# KiCad board output.Panel_R0.5.1_300x300_2layer_step1_Modified.kicad_pcb (continued)
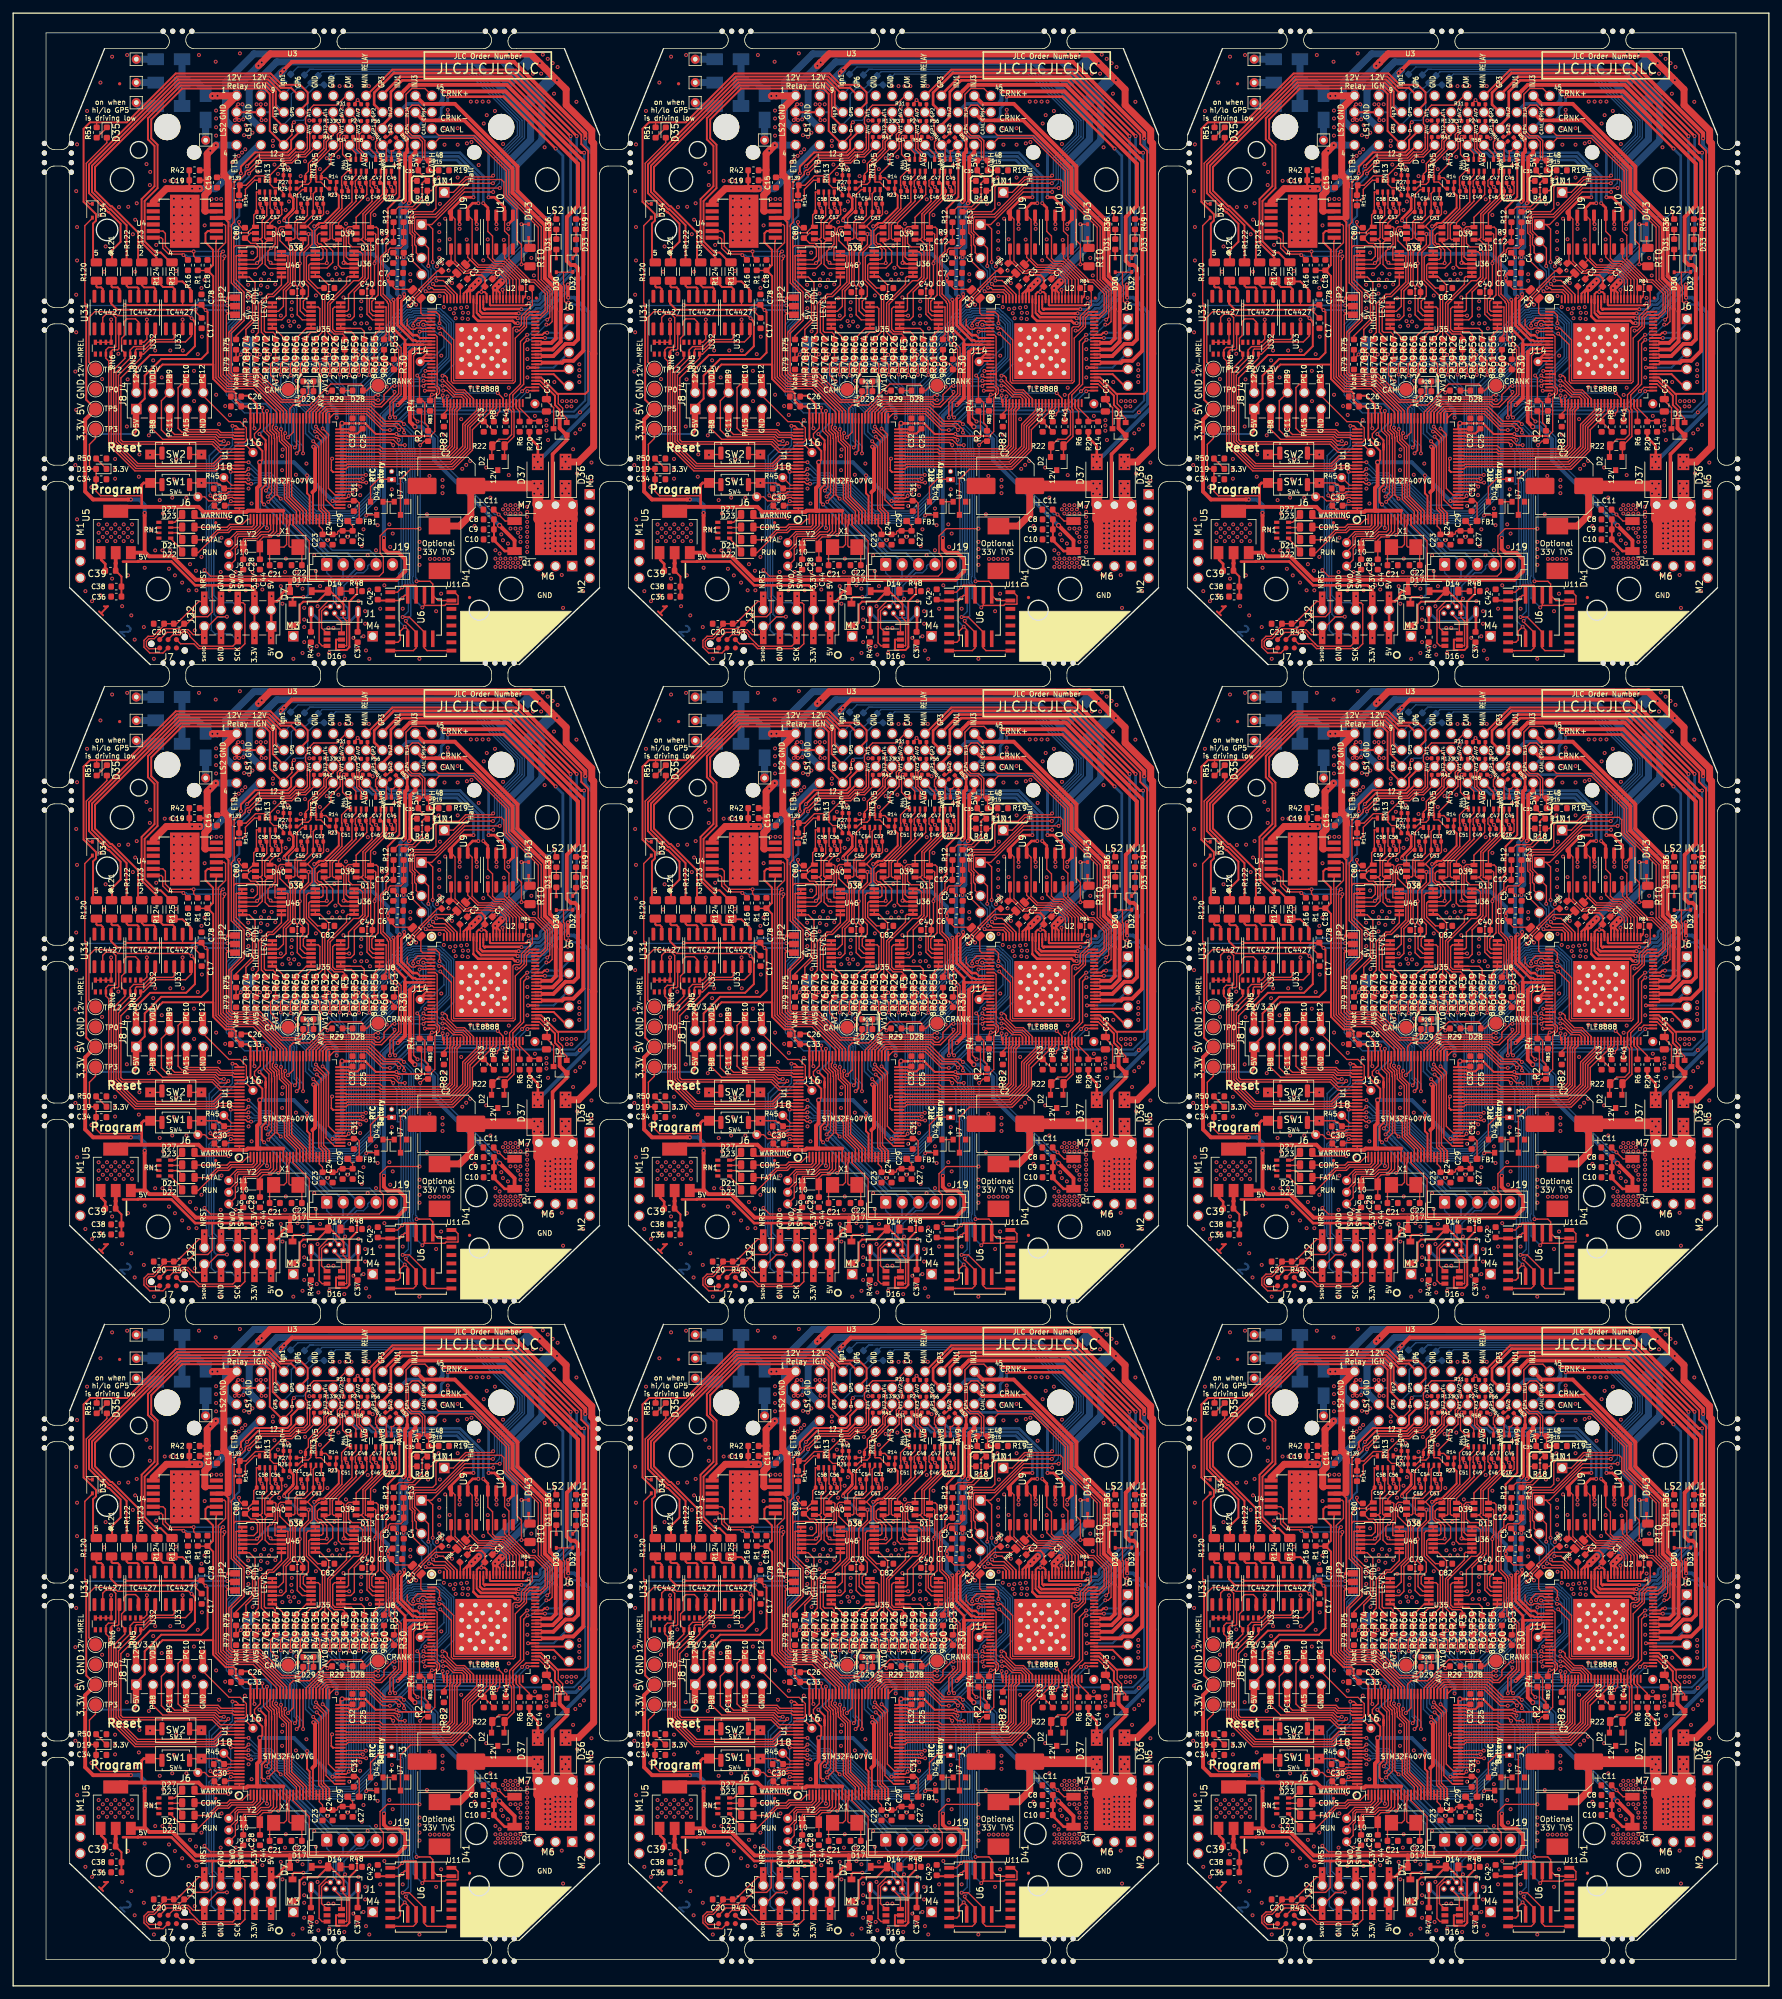
[diagram p0: board, top side]
## Placement (name value [footprint] x y rotation side) (continued)
R19#8  DNP  [R_0603_1608Metric]  150.5 82.1 180 top
R19#9  DNP  [R_0603_1608Metric]  65.5 82.1 180 top
R20  2.7k  [R_0603_1608Metric]  78.51 237.12 270 top
R20#2  2.7k  [R_0603_1608Metric]  163.51 237.12 270 top
R20#3  2.7k  [R_0603_1608Metric]  248.51 237.12 270 top
R20#4  2.7k  [R_0603_1608Metric]  248.51 140.12 270 top
R20#5  2.7k  [R_0603_1608Metric]  163.51 140.12 270 top
R20#6  2.7k  [R_0603_1608Metric]  78.51 140.12 270 top
R20#7  2.7k  [R_0603_1608Metric]  248.51 43.12 270 top
R20#8  2.7k  [R_0603_1608Metric]  163.51 43.12 270 top
R20#9  2.7k  [R_0603_1608Metric]  78.51 43.12 270 top
R21  0R  [R_0603_1608Metric]  43.74 290.04 45 bottom
R21#2  0R  [R_0603_1608Metric]  128.74 290.04 45 bottom
R21#3  0R  [R_0603_1608Metric]  213.74 290.04 45 bottom
R21#4  0R  [R_0603_1608Metric]  43.74 193.04 45 bottom
R21#5  0R  [R_0603_1608Metric]  213.74 193.04 45 bottom
R21#6  0R  [R_0603_1608Metric]  128.74 193.04 45 bottom
R21#7  0R  [R_0603_1608Metric]  43.74 96.04 45 bottom
R21#8  0R  [R_0603_1608Metric]  213.74 96.04 45 bottom
R21#9  0R  [R_0603_1608Metric]  128.74 96.04 45 bottom
R22  120  [R_0805_2012Metric]  73.8 234.2 0 top
R22#2  120  [R_0805_2012Metric]  158.8 234.2 0 top
R22#3  120  [R_0805_2012Metric]  243.8 234.2 0 top
R22#4  120  [R_0805_2012Metric]  243.8 137.2 0 top
R22#5  120  [R_0805_2012Metric]  158.8 137.2 0 top
R22#6  120  [R_0805_2012Metric]  73.8 137.2 0 top
R22#7  120  [R_0805_2012Metric]  243.8 40.2 0 top
R22#8  120  [R_0805_2012Metric]  158.8 40.2 0 top
R22#9  120  [R_0805_2012Metric]  73.8 40.2 0 top
R23  2.7k  [R_0402_1005Metric]  48.58 273.31 0 top
R23#2  2.7k  [R_0402_1005Metric]  133.58 273.31 0 top
R23#3  2.7k  [R_0402_1005Metric]  218.58 273.31 0 top
R23#4  2.7k  [R_0402_1005Metric]  48.58 176.31 0 top
R23#5  2.7k  [R_0402_1005Metric]  218.58 176.31 0 top
R23#6  2.7k  [R_0402_1005Metric]  133.58 176.31 0 top
R23#7  2.7k  [R_0402_1005Metric]  218.58 79.31 0 top
R23#8  2.7k  [R_0402_1005Metric]  48.58 79.31 0 top
R23#9  2.7k  [R_0402_1005Metric]  133.58 79.31 0 top
R24  470K  [R_0402_1005Metric]  53.41 283.6 180 top
R24#2  470K  [R_0402_1005Metric]  138.41 283.6 180 top
R24#3  470K  [R_0402_1005Metric]  223.4 283.6 180 top
R24#4  470K  [R_0402_1005Metric]  53.41 186.6 180 top
R24#5  470K  [R_0402_1005Metric]  223.4 186.6 180 top
R24#6  470K  [R_0402_1005Metric]  138.41 186.6 180 top
R24#7  470K  [R_0402_1005Metric]  53.41 89.6 180 top
R24#8  470K  [R_0402_1005Metric]  223.4 89.6 180 top
R24#9  470K  [R_0402_1005Metric]  138.41 89.6 180 top
R25  2.7k  [R_0402_1005Metric]  42.61 273.31 180 top
R25#2  2.7k  [R_0402_1005Metric]  127.61 273.31 180 top
R25#3  2.7k  [R_0402_1005Metric]  212.61 273.31 180 top
R25#4  2.7k  [R_0402_1005Metric]  42.61 176.31 180 top
R25#5  2.7k  [R_0402_1005Metric]  212.61 176.31 180 top
R25#6  2.7k  [R_0402_1005Metric]  127.61 176.31 180 top
R25#7  2.7k  [R_0402_1005Metric]  212.61 79.31 180 top
R25#8  2.7k  [R_0402_1005Metric]  42.61 79.31 180 top
R25#9  2.7k  [R_0402_1005Metric]  127.61 79.31 180 top
R26  6.8K  [R_0603_1608Metric]  48.9 249.6 90 top
R26#2  6.8K  [R_0603_1608Metric]  133.9 249.6 90 top
R26#3  6.8K  [R_0603_1608Metric]  218.9 249.6 90 top
R26#4  6.8K  [R_0603_1608Metric]  48.9 152.6 90 top
R26#5  6.8K  [R_0603_1608Metric]  218.9 152.6 90 top
R26#6  6.8K  [R_0603_1608Metric]  133.9 152.6 90 top
R26#7  6.8K  [R_0603_1608Metric]  218.9 55.6 90 top
R26#8  6.8K  [R_0603_1608Metric]  133.9 55.6 90 top
R26#9  6.8K  [R_0603_1608Metric]  48.9 55.6 90 top
R27  2.7k  [R_0402_1005Metric]  42.61 274.33 180 top
R27#2  2.7k  [R_0402_1005Metric]  127.61 274.33 180 top
R27#3  2.7k  [R_0402_1005Metric]  212.61 274.33 180 top
R27#4  2.7k  [R_0402_1005Metric]  42.61 177.33 180 top
R27#5  2.7k  [R_0402_1005Metric]  212.61 177.33 180 top
R27#6  2.7k  [R_0402_1005Metric]  127.61 177.33 180 top
R27#7  2.7k  [R_0402_1005Metric]  42.61 80.33 180 top
R27#8  2.7k  [R_0402_1005Metric]  212.61 80.33 180 top
R27#9  2.7k  [R_0402_1005Metric]  127.61 80.33 180 top
R28  2.2k  [R_0603_1608Metric]  44.89 242.5 0 top
R28#2  2.2k  [R_0603_1608Metric]  129.89 242.5 0 top
R28#3  2.2k  [R_0603_1608Metric]  214.89 242.5 0 top
R28#4  2.2k  [R_0603_1608Metric]  44.89 145.5 0 top
R28#5  2.2k  [R_0603_1608Metric]  214.89 145.5 0 top
R28#6  2.2k  [R_0603_1608Metric]  129.89 145.5 0 top
R28#7  2.2k  [R_0603_1608Metric]  44.89 48.5 0 top
R28#8  2.2k  [R_0603_1608Metric]  214.89 48.5 0 top
R28#9  2.2k  [R_0603_1608Metric]  129.89 48.5 0 top
R29  1k  [R_0603_1608Metric]  49.3 242.6 180 top
R29#2  1k  [R_0603_1608Metric]  134.3 242.6 180 top
R29#3  1k  [R_0603_1608Metric]  219.3 242.6 180 top
R29#4  1k  [R_0603_1608Metric]  49.3 145.6 180 top
R29#5  1k  [R_0603_1608Metric]  219.3 145.6 180 top
R29#6  1k  [R_0603_1608Metric]  134.3 145.6 180 top
R29#7  1k  [R_0603_1608Metric]  49.3 48.6 180 top
R29#8  1k  [R_0603_1608Metric]  219.3 48.6 180 top
R29#9  1k  [R_0603_1608Metric]  134.3 48.6 180 top
R30  0R  [R_0603_1608Metric]  57.9 246.59 270 top
R30#2  0R  [R_0603_1608Metric]  142.9 246.59 270 top
R30#3  0R  [R_0603_1608Metric]  227.9 246.59 270 top
R30#4  0R  [R_0603_1608Metric]  57.9 149.59 270 top
R30#5  0R  [R_0603_1608Metric]  227.9 149.59 270 top
R30#6  0R  [R_0603_1608Metric]  142.9 149.59 270 top
R30#7  0R  [R_0603_1608Metric]  57.9 52.59 270 top
R30#8  0R  [R_0603_1608Metric]  227.9 52.59 270 top
R30#9  0R  [R_0603_1608Metric]  142.9 52.59 270 top
R31  470K  [R_0402_1005Metric]  51.5 286.14 0 top
R31#2  470K  [R_0402_1005Metric]  136.5 286.14 0 top
R31#3  470K  [R_0402_1005Metric]  221.5 286.14 0 top
R31#4  470K  [R_0402_1005Metric]  51.5 189.14 0 top
R31#5  470K  [R_0402_1005Metric]  221.5 189.14 0 top
R31#6  470K  [R_0402_1005Metric]  136.5 189.14 0 top
R31#7  470K  [R_0402_1005Metric]  51.5 92.14 0 top
R31#8  470K  [R_0402_1005Metric]  221.5 92.14 0 top
R31#9  470K  [R_0402_1005Metric]  136.5 92.14 0 top
R32  6.8K  [R_0603_1608Metric]  47.4 249.6 90 top
R32#2  6.8K  [R_0603_1608Metric]  132.4 249.6 90 top
R32#3  6.8K  [R_0603_1608Metric]  217.4 249.6 90 top
R32#4  6.8K  [R_0603_1608Metric]  47.4 152.6 90 top
R32#5  6.8K  [R_0603_1608Metric]  217.4 152.6 90 top
R32#6  6.8K  [R_0603_1608Metric]  132.4 152.6 90 top
R32#7  6.8K  [R_0603_1608Metric]  217.4 55.6 90 top
R32#8  6.8K  [R_0603_1608Metric]  132.4 55.6 90 top
R32#9  6.8K  [R_0603_1608Metric]  47.4 55.6 90 top
R33  0R  [R_0603_1608Metric]  41.64 290.14 45 bottom
R33#2  0R  [R_0603_1608Metric]  126.64 290.14 45 bottom
R33#3  0R  [R_0603_1608Metric]  211.64 290.14 45 bottom
R33#4  0R  [R_0603_1608Metric]  41.64 193.14 45 bottom
R33#5  0R  [R_0603_1608Metric]  211.64 193.14 45 bottom
R33#6  0R  [R_0603_1608Metric]  126.64 193.14 45 bottom
R33#7  0R  [R_0603_1608Metric]  211.64 96.14 45 bottom
R33#8  0R  [R_0603_1608Metric]  41.64 96.14 45 bottom
R33#9  0R  [R_0603_1608Metric]  126.64 96.14 45 bottom
R34  470K  [R_0402_1005Metric]  51.2 281.19 180 top
R34#2  470K  [R_0402_1005Metric]  136.2 281.19 180 top
R34#3  470K  [R_0402_1005Metric]  221.2 281.19 180 top
R34#4  470K  [R_0402_1005Metric]  51.2 184.19 180 top
R34#5  470K  [R_0402_1005Metric]  221.2 184.19 180 top
R34#6  470K  [R_0402_1005Metric]  136.2 184.19 180 top
R34#7  470K  [R_0402_1005Metric]  51.2 87.19 180 top
R34#8  470K  [R_0402_1005Metric]  221.2 87.19 180 top
R34#9  470K  [R_0402_1005Metric]  136.2 87.19 180 top
R35  6.8K  [R_0603_1608Metric]  45.9 249.6 90 top
R35#2  6.8K  [R_0603_1608Metric]  130.9 249.6 90 top
R35#3  6.8K  [R_0603_1608Metric]  215.9 249.6 90 top
R35#4  6.8K  [R_0603_1608Metric]  45.9 152.6 90 top
R35#5  6.8K  [R_0603_1608Metric]  215.9 152.6 90 top
R35#6  6.8K  [R_0603_1608Metric]  130.9 152.6 90 top
R35#7  6.8K  [R_0603_1608Metric]  215.9 55.6 90 top
R35#8  6.8K  [R_0603_1608Metric]  130.9 55.6 90 top
R35#9  6.8K  [R_0603_1608Metric]  45.9 55.6 90 top
R36  1k  [R_0603_1608Metric]  82.6 267.9 90 top
R36#2  1k  [R_0603_1608Metric]  167.6 267.9 90 top
R36#3  1k  [R_0603_1608Metric]  252.6 267.9 90 top
R36#4  1k  [R_0603_1608Metric]  82.6 170.9 90 top
R36#5  1k  [R_0603_1608Metric]  252.6 170.9 90 top
R36#6  1k  [R_0603_1608Metric]  167.6 170.9 90 top
R36#7  1k  [R_0603_1608Metric]  82.6 73.9 90 top
R36#8  1k  [R_0603_1608Metric]  252.6 73.9 90 top
R36#9  1k  [R_0603_1608Metric]  167.6 73.9 90 top
R37  470K  [R_0402_1005Metric]  50.74 283.6 180 top
R37#2  470K  [R_0402_1005Metric]  135.74 283.6 180 top
R37#3  470K  [R_0402_1005Metric]  220.74 283.6 180 top
R37#4  470K  [R_0402_1005Metric]  50.74 186.6 180 top
R37#5  470K  [R_0402_1005Metric]  220.74 186.6 180 top
R37#6  470K  [R_0402_1005Metric]  135.74 186.6 180 top
R37#7  470K  [R_0402_1005Metric]  50.74 89.6 180 top
R37#8  470K  [R_0402_1005Metric]  220.74 89.6 180 top
R37#9  470K  [R_0402_1005Metric]  135.74 89.6 180 top
R38  10K  [R_0603_1608Metric]  50.4 246.6 90 top
R38#2  10K  [R_0603_1608Metric]  135.4 246.6 90 top
R38#3  10K  [R_0603_1608Metric]  220.4 246.6 90 top
R38#4  10K  [R_0603_1608Metric]  50.4 149.6 90 top
R38#5  10K  [R_0603_1608Metric]  220.4 149.6 90 top
R38#6  10K  [R_0603_1608Metric]  135.4 149.6 90 top
R38#7  10K  [R_0603_1608Metric]  50.4 52.6 90 top
R38#8  10K  [R_0603_1608Metric]  220.4 52.6 90 top
R38#9  10K  [R_0603_1608Metric]  135.4 52.6 90 top
R39  10K  [R_0603_1608Metric]  48.9 246.6 90 top
R39#2  10K  [R_0603_1608Metric]  133.9 246.6 90 top
R39#3  10K  [R_0603_1608Metric]  218.9 246.6 90 top
R39#4  10K  [R_0603_1608Metric]  48.9 149.6 90 top
R39#5  10K  [R_0603_1608Metric]  218.9 149.6 90 top
R39#6  10K  [R_0603_1608Metric]  133.9 149.6 90 top
R39#7  10K  [R_0603_1608Metric]  48.9 52.6 90 top
R39#8  10K  [R_0603_1608Metric]  218.9 52.6 90 top
R39#9  10K  [R_0603_1608Metric]  133.9 52.6 90 top
R40  DNP  [R_0402_1005Metric]  41.59 275.34 0 top
R40#2  DNP  [R_0402_1005Metric]  126.59 275.34 0 top
R40#3  DNP  [R_0402_1005Metric]  211.59 275.34 0 top
R40#4  DNP  [R_0402_1005Metric]  41.59 178.34 0 top
R40#5  DNP  [R_0402_1005Metric]  211.59 178.34 0 top
R40#6  DNP  [R_0402_1005Metric]  126.59 178.34 0 top
R40#7  DNP  [R_0402_1005Metric]  41.59 81.34 0 top
R40#8  DNP  [R_0402_1005Metric]  211.59 81.34 0 top
R40#9  DNP  [R_0402_1005Metric]  126.59 81.34 0 top
R41  470K  [R_0402_1005Metric]  46.22 281.16 0 top
R41#2  470K  [R_0402_1005Metric]  131.22 281.16 0 top
R41#3  470K  [R_0402_1005Metric]  216.22 281.16 0 top
R41#4  470K  [R_0402_1005Metric]  46.22 184.16 0 top
R41#5  470K  [R_0402_1005Metric]  216.22 184.16 0 top
R41#6  470K  [R_0402_1005Metric]  131.22 184.16 0 top
R41#7  470K  [R_0402_1005Metric]  46.22 87.16 0 top
R41#8  470K  [R_0402_1005Metric]  216.22 87.16 0 top
R41#9  470K  [R_0402_1005Metric]  131.22 87.16 0 top
R42  4.7K  [R_0603_1608Metric]  27.57 276.11 0 top
R42#2  4.7K  [R_0603_1608Metric]  112.57 276.11 0 top
R42#3  4.7K  [R_0603_1608Metric]  197.57 276.11 0 top
R42#4  4.7K  [R_0603_1608Metric]  197.57 179.11 0 top
R42#5  4.7K  [R_0603_1608Metric]  112.57 179.11 0 top
R42#6  4.7K  [R_0603_1608Metric]  27.57 179.11 0 top
R42#7  4.7K  [R_0603_1608Metric]  197.57 82.11 0 top
R42#8  4.7K  [R_0603_1608Metric]  112.57 82.11 0 top
R42#9  4.7K  [R_0603_1608Metric]  27.57 82.11 0 top
R43  10K  [R_0603_1608Metric]  25.21 207.14 180 top
R43#2  10K  [R_0603_1608Metric]  110.21 207.14 180 top
R43#3  10K  [R_0603_1608Metric]  195.21 207.14 180 top
R43#4  10K  [R_0603_1608Metric]  195.21 110.15 180 top
R43#5  10K  [R_0603_1608Metric]  110.21 110.15 180 top
R43#6  10K  [R_0603_1608Metric]  25.21 110.15 180 top
R43#7  10K  [R_0603_1608Metric]  195.21 13.14 180 top
R43#8  10K  [R_0603_1608Metric]  110.21 13.14 180 top
R43#9  10K  [R_0603_1608Metric]  25.21 13.14 180 top
R44  10K  [R_0603_1608Metric]  47.4 246.6 90 top
R44#2  10K  [R_0603_1608Metric]  132.4 246.6 90 top
R44#3  10K  [R_0603_1608Metric]  217.4 246.6 90 top
R44#4  10K  [R_0603_1608Metric]  47.4 149.6 90 top
R44#5  10K  [R_0603_1608Metric]  217.4 149.6 90 top
R44#6  10K  [R_0603_1608Metric]  132.4 149.6 90 top
R44#7  10K  [R_0603_1608Metric]  217.4 52.6 90 top
R44#8  10K  [R_0603_1608Metric]  132.4 52.6 90 top
R44#9  10K  [R_0603_1608Metric]  47.4 52.6 90 top
R45  10K  [R_0603_1608Metric]  31.3 227.72 180 top
R45#2  10K  [R_0603_1608Metric]  116.3 227.72 180 top
R45#3  10K  [R_0603_1608Metric]  201.3 227.72 180 top
R45#4  10K  [R_0603_1608Metric]  201.3 130.72 180 top
R45#5  10K  [R_0603_1608Metric]  116.3 130.72 180 top
R45#6  10K  [R_0603_1608Metric]  31.3 130.72 180 top
R45#7  10K  [R_0603_1608Metric]  201.3 33.72 180 top
R45#8  10K  [R_0603_1608Metric]  116.3 33.72 180 top
R45#9  10K  [R_0603_1608Metric]  31.3 33.72 180 top
R46  10K  [R_0603_1608Metric]  45.9 246.6 90 top
R46#2  10K  [R_0603_1608Metric]  130.9 246.6 90 top
R46#3  10K  [R_0603_1608Metric]  215.9 246.6 90 top
R46#4  10K  [R_0603_1608Metric]  45.9 149.6 90 top
R46#5  10K  [R_0603_1608Metric]  215.9 149.6 90 top
R46#6  10K  [R_0603_1608Metric]  130.9 149.6 90 top
R46#7  10K  [R_0603_1608Metric]  215.9 52.6 90 top
R46#8  10K  [R_0603_1608Metric]  130.9 52.6 90 top
R46#9  10K  [R_0603_1608Metric]  45.9 52.6 90 top
R47  100K  [R_0603_1608Metric]  45.28 205.11 270 top
R47#2  100K  [R_0603_1608Metric]  130.28 205.11 270 top
R47#3  100K  [R_0603_1608Metric]  215.28 205.11 270 top
R47#4  100K  [R_0603_1608Metric]  215.28 108.11 270 top
R47#5  100K  [R_0603_1608Metric]  130.28 108.11 270 top
R47#6  100K  [R_0603_1608Metric]  45.28 108.11 270 top
R47#7  100K  [R_0603_1608Metric]  215.28 11.11 270 top
R47#8  100K  [R_0603_1608Metric]  130.28 11.11 270 top
R47#9  100K  [R_0603_1608Metric]  45.28 11.11 270 top
R48  2.2k  [R_0603_1608Metric]  52.26 212.1 180 top
R48#2  2.2k  [R_0603_1608Metric]  137.26 212.1 180 top
R48#3  2.2k  [R_0603_1608Metric]  222.26 212.1 180 top
R48#4  2.2k  [R_0603_1608Metric]  222.26 115.1 180 top
R48#5  2.2k  [R_0603_1608Metric]  137.26 115.1 180 top
R48#6  2.2k  [R_0603_1608Metric]  52.26 115.1 180 top
R48#7  2.2k  [R_0603_1608Metric]  222.26 18.1 180 top
R48#8  2.2k  [R_0603_1608Metric]  137.26 18.1 180 top
R48#9  2.2k  [R_0603_1608Metric]  52.26 18.1 180 top
R49  1k  [R_0603_1608Metric]  85.6 267.9 90 top
R49#2  1k  [R_0603_1608Metric]  170.6 267.9 90 top
R49#3  1k  [R_0603_1608Metric]  255.6 267.9 90 top
R49#4  1k  [R_0603_1608Metric]  170.6 170.9 90 top
R49#5  1k  [R_0603_1608Metric]  255.6 170.9 90 top
R49#6  1k  [R_0603_1608Metric]  85.6 170.9 90 top
R49#7  1k  [R_0603_1608Metric]  170.6 73.9 90 top
R49#8  1k  [R_0603_1608Metric]  255.6 73.9 90 top
R49#9  1k  [R_0603_1608Metric]  85.6 73.9 90 top
R50  1k  [R_0603_1608Metric]  13.4 232.27 180 top
R50#2  1k  [R_0603_1608Metric]  98.4 232.27 180 top
R50#3  1k  [R_0603_1608Metric]  183.4 232.27 180 top
R50#4  1k  [R_0603_1608Metric]  183.4 135.27 180 top
R50#5  1k  [R_0603_1608Metric]  98.4 135.27 180 top
R50#6  1k  [R_0603_1608Metric]  13.4 135.27 180 top
R50#7  1k  [R_0603_1608Metric]  183.4 38.27 180 top
R50#8  1k  [R_0603_1608Metric]  98.4 38.27 180 top
R50#9  1k  [R_0603_1608Metric]  13.4 38.27 180 top
R51  1k  [R_0603_1608Metric]  12.7 281.85 90 top
R51#2  1k  [R_0603_1608Metric]  97.7 281.85 90 top
R51#3  1k  [R_0603_1608Metric]  182.7 281.85 90 top
R51#4  1k  [R_0603_1608Metric]  97.7 184.85 90 top
R51#5  1k  [R_0603_1608Metric]  182.7 184.85 90 top
R51#6  1k  [R_0603_1608Metric]  12.7 184.85 90 top
R51#7  1k  [R_0603_1608Metric]  97.7 87.85 90 top
R51#8  1k  [R_0603_1608Metric]  182.7 87.85 90 top
R51#9  1k  [R_0603_1608Metric]  12.7 87.85 90 top
R52  470K  [R_0402_1005Metric]  57.85 281.44 135 top
R52#2  470K  [R_0402_1005Metric]  142.85 281.44 135 top
R52#3  470K  [R_0402_1005Metric]  227.85 281.44 135 top
R52#4  470K  [R_0402_1005Metric]  57.85 184.44 135 top
R52#5  470K  [R_0402_1005Metric]  227.85 184.44 135 top
R52#6  470K  [R_0402_1005Metric]  142.85 184.44 135 top
R52#7  470K  [R_0402_1005Metric]  57.85 87.44 135 top
R52#8  470K  [R_0402_1005Metric]  227.85 87.44 135 top
R52#9  470K  [R_0402_1005Metric]  142.85 87.44 135 top
R53  6.8K  [R_0603_1608Metric]  56.4 249.6 90 top
R53#2  6.8K  [R_0603_1608Metric]  141.4 249.6 90 top
R53#3  6.8K  [R_0603_1608Metric]  226.4 249.6 90 top
R53#4  6.8K  [R_0603_1608Metric]  56.4 152.6 90 top
R53#5  6.8K  [R_0603_1608Metric]  226.4 152.6 90 top
R53#6  6.8K  [R_0603_1608Metric]  141.4 152.6 90 top
R53#7  6.8K  [R_0603_1608Metric]  226.4 55.6 90 top
R53#8  6.8K  [R_0603_1608Metric]  141.4 55.6 90 top
R53#9  6.8K  [R_0603_1608Metric]  56.4 55.6 90 top
R54  470K  [R_0402_1005Metric]  56.96 280.86 135 top
R54#2  470K  [R_0402_1005Metric]  141.96 280.86 135 top
R54#3  470K  [R_0402_1005Metric]  226.96 280.86 135 top
R54#4  470K  [R_0402_1005Metric]  56.96 183.86 135 top
R54#5  470K  [R_0402_1005Metric]  226.96 183.86 135 top
R54#6  470K  [R_0402_1005Metric]  141.96 183.86 135 top
R54#7  470K  [R_0402_1005Metric]  56.96 86.86 135 top
R54#8  470K  [R_0402_1005Metric]  226.96 86.86 135 top
R54#9  470K  [R_0402_1005Metric]  141.96 86.86 135 top
R55  6.8K  [R_0603_1608Metric]  54.9 249.6 90 top
R55#2  6.8K  [R_0603_1608Metric]  139.9 249.6 90 top
R55#3  6.8K  [R_0603_1608Metric]  224.9 249.6 90 top
R55#4  6.8K  [R_0603_1608Metric]  54.9 152.6 90 top
R55#5  6.8K  [R_0603_1608Metric]  224.9 152.6 90 top
R55#6  6.8K  [R_0603_1608Metric]  139.9 152.6 90 top
R55#7  6.8K  [R_0603_1608Metric]  224.9 55.6 90 top
R55#8  6.8K  [R_0603_1608Metric]  139.9 55.6 90 top
R55#9  6.8K  [R_0603_1608Metric]  54.9 55.6 90 top
R56  470K  [R_0402_1005Metric]  53.41 286.14 180 top
R56#2  470K  [R_0402_1005Metric]  138.41 286.14 180 top
R56#3  470K  [R_0402_1005Metric]  223.4 286.14 180 top
R56#4  470K  [R_0402_1005Metric]  53.41 189.14 180 top
R56#5  470K  [R_0402_1005Metric]  223.4 189.14 180 top
R56#6  470K  [R_0402_1005Metric]  138.41 189.14 180 top
R56#7  470K  [R_0402_1005Metric]  53.41 92.14 180 top
R56#8  470K  [R_0402_1005Metric]  223.4 92.14 180 top
R56#9  470K  [R_0402_1005Metric]  138.41 92.14 180 top
R57  6.8K  [R_0603_1608Metric]  53.4 249.6 90 top
R57#2  6.8K  [R_0603_1608Metric]  138.4 249.6 90 top
R57#3  6.8K  [R_0603_1608Metric]  223.4 249.6 90 top
R57#4  6.8K  [R_0603_1608Metric]  53.4 152.6 90 top
R57#5  6.8K  [R_0603_1608Metric]  223.4 152.6 90 top
R57#6  6.8K  [R_0603_1608Metric]  138.4 152.6 90 top
R57#7  6.8K  [R_0603_1608Metric]  53.4 55.6 90 top
R57#8  6.8K  [R_0603_1608Metric]  223.4 55.6 90 top
R57#9  6.8K  [R_0603_1608Metric]  138.4 55.6 90 top
R58  470K  [R_0402_1005Metric]  53.66 281.19 0 top
R58#2  470K  [R_0402_1005Metric]  138.66 281.19 0 top
R58#3  470K  [R_0402_1005Metric]  223.66 281.19 0 top
R58#4  470K  [R_0402_1005Metric]  53.66 184.19 0 top
R58#5  470K  [R_0402_1005Metric]  223.66 184.19 0 top
R58#6  470K  [R_0402_1005Metric]  138.66 184.19 0 top
R58#7  470K  [R_0402_1005Metric]  53.66 87.19 0 top
R58#8  470K  [R_0402_1005Metric]  223.66 87.19 0 top
R58#9  470K  [R_0402_1005Metric]  138.66 87.19 0 top
R59  6.8K  [R_0603_1608Metric]  51.9 249.6 90 top
R59#2  6.8K  [R_0603_1608Metric]  136.9 249.6 90 top
R59#3  6.8K  [R_0603_1608Metric]  221.9 249.6 90 top
R59#4  6.8K  [R_0603_1608Metric]  51.9 152.6 90 top
R59#5  6.8K  [R_0603_1608Metric]  221.9 152.6 90 top
R59#6  6.8K  [R_0603_1608Metric]  136.9 152.6 90 top
R59#7  6.8K  [R_0603_1608Metric]  221.9 55.6 90 top
R59#8  6.8K  [R_0603_1608Metric]  136.9 55.6 90 top
R59#9  6.8K  [R_0603_1608Metric]  51.9 55.6 90 top
R60  10K  [R_0603_1608Metric]  56.4 246.6 90 top
R60#2  10K  [R_0603_1608Metric]  141.4 246.6 90 top
R60#3  10K  [R_0603_1608Metric]  226.4 246.6 90 top
R60#4  10K  [R_0603_1608Metric]  56.4 149.6 90 top
R60#5  10K  [R_0603_1608Metric]  226.4 149.6 90 top
R60#6  10K  [R_0603_1608Metric]  141.4 149.6 90 top
R60#7  10K  [R_0603_1608Metric]  226.4 52.6 90 top
R60#8  10K  [R_0603_1608Metric]  141.4 52.6 90 top
R60#9  10K  [R_0603_1608Metric]  56.4 52.6 90 top
R61  10K  [R_0603_1608Metric]  54.9 246.6 90 top
R61#2  10K  [R_0603_1608Metric]  139.9 246.6 90 top
R61#3  10K  [R_0603_1608Metric]  224.9 246.6 90 top
R61#4  10K  [R_0603_1608Metric]  54.9 149.6 90 top
R61#5  10K  [R_0603_1608Metric]  224.9 149.6 90 top
R61#6  10K  [R_0603_1608Metric]  139.9 149.6 90 top
R61#7  10K  [R_0603_1608Metric]  224.9 52.6 90 top
R61#8  10K  [R_0603_1608Metric]  139.9 52.6 90 top
R61#9  10K  [R_0603_1608Metric]  54.9 52.6 90 top
R62  10K  [R_0603_1608Metric]  53.4 246.6 90 top
R62#2  10K  [R_0603_1608Metric]  138.4 246.6 90 top
R62#3  10K  [R_0603_1608Metric]  223.4 246.6 90 top
R62#4  10K  [R_0603_1608Metric]  53.4 149.6 90 top
R62#5  10K  [R_0603_1608Metric]  223.4 149.6 90 top
R62#6  10K  [R_0603_1608Metric]  138.4 149.6 90 top
R62#7  10K  [R_0603_1608Metric]  53.4 52.6 90 top
R62#8  10K  [R_0603_1608Metric]  223.4 52.6 90 top
R62#9  10K  [R_0603_1608Metric]  138.4 52.6 90 top
R63  10K  [R_0603_1608Metric]  51.9 246.6 90 top
R63#2  10K  [R_0603_1608Metric]  136.9 246.6 90 top
R63#3  10K  [R_0603_1608Metric]  221.9 246.6 90 top
R63#4  10K  [R_0603_1608Metric]  51.9 149.6 90 top
R63#5  10K  [R_0603_1608Metric]  221.9 149.6 90 top
R63#6  10K  [R_0603_1608Metric]  136.9 149.6 90 top
R63#7  10K  [R_0603_1608Metric]  51.9 52.6 90 top
R63#8  10K  [R_0603_1608Metric]  221.9 52.6 90 top
R63#9  10K  [R_0603_1608Metric]  136.9 52.6 90 top
R64  6.8K  [R_0603_1608Metric]  44.4 249.6 90 top
R64#2  6.8K  [R_0603_1608Metric]  129.4 249.6 90 top
R64#3  6.8K  [R_0603_1608Metric]  214.4 249.6 90 top
R64#4  6.8K  [R_0603_1608Metric]  44.4 152.6 90 top
R64#5  6.8K  [R_0603_1608Metric]  214.4 152.6 90 top
R64#6  6.8K  [R_0603_1608Metric]  129.4 152.6 90 top
R64#7  6.8K  [R_0603_1608Metric]  44.4 55.6 90 top
R64#8  6.8K  [R_0603_1608Metric]  214.4 55.6 90 top
R64#9  6.8K  [R_0603_1608Metric]  129.4 55.6 90 top
R65  6.8K  [R_0603_1608Metric]  42.9 249.6 90 top
R65#2  6.8K  [R_0603_1608Metric]  127.9 249.6 90 top
R65#3  6.8K  [R_0603_1608Metric]  212.9 249.6 90 top
R65#4  6.8K  [R_0603_1608Metric]  42.9 152.6 90 top
R65#5  6.8K  [R_0603_1608Metric]  212.9 152.6 90 top
R65#6  6.8K  [R_0603_1608Metric]  127.9 152.6 90 top
R65#7  6.8K  [R_0603_1608Metric]  212.9 55.6 90 top
R65#8  6.8K  [R_0603_1608Metric]  127.9 55.6 90 top
R65#9  6.8K  [R_0603_1608Metric]  42.9 55.6 90 top
R66  6.8K  [R_0603_1608Metric]  41.4 249.6 90 top
R66#2  6.8K  [R_0603_1608Metric]  126.4 249.6 90 top
R66#3  6.8K  [R_0603_1608Metric]  211.4 249.6 90 top
R66#4  6.8K  [R_0603_1608Metric]  41.4 152.6 90 top
R66#5  6.8K  [R_0603_1608Metric]  211.4 152.6 90 top
R66#6  6.8K  [R_0603_1608Metric]  126.4 152.6 90 top
R66#7  6.8K  [R_0603_1608Metric]  211.4 55.6 90 top
R66#8  6.8K  [R_0603_1608Metric]  126.4 55.6 90 top
R66#9  6.8K  [R_0603_1608Metric]  41.4 55.6 90 top
R67  6.8K  [R_0603_1608Metric]  39.9 249.6 90 top
R67#2  6.8K  [R_0603_1608Metric]  124.9 249.6 90 top
R67#3  6.8K  [R_0603_1608Metric]  209.9 249.6 90 top
R67#4  6.8K  [R_0603_1608Metric]  39.9 152.6 90 top
R67#5  6.8K  [R_0603_1608Metric]  209.9 152.6 90 top
R67#6  6.8K  [R_0603_1608Metric]  124.9 152.6 90 top
R67#7  6.8K  [R_0603_1608Metric]  39.9 55.6 90 top
R67#8  6.8K  [R_0603_1608Metric]  209.9 55.6 90 top
R67#9  6.8K  [R_0603_1608Metric]  124.9 55.6 90 top
R68  10K  [R_0603_1608Metric]  44.4 246.6 90 top
R68#2  10K  [R_0603_1608Metric]  129.4 246.6 90 top
R68#3  10K  [R_0603_1608Metric]  214.4 246.6 90 top
R68#4  10K  [R_0603_1608Metric]  44.4 149.6 90 top
R68#5  10K  [R_0603_1608Metric]  214.4 149.6 90 top
R68#6  10K  [R_0603_1608Metric]  129.4 149.6 90 top
R68#7  10K  [R_0603_1608Metric]  44.4 52.6 90 top
R68#8  10K  [R_0603_1608Metric]  214.4 52.6 90 top
R68#9  10K  [R_0603_1608Metric]  129.4 52.6 90 top
R69  10K  [R_0603_1608Metric]  42.9 246.6 90 top
R69#2  10K  [R_0603_1608Metric]  127.9 246.6 90 top
R69#3  10K  [R_0603_1608Metric]  212.9 246.6 90 top
R69#4  10K  [R_0603_1608Metric]  42.9 149.6 90 top
R69#5  10K  [R_0603_1608Metric]  212.9 149.6 90 top
R69#6  10K  [R_0603_1608Metric]  127.9 149.6 90 top
R69#7  10K  [R_0603_1608Metric]  42.9 52.6 90 top
R69#8  10K  [R_0603_1608Metric]  212.9 52.6 90 top
R69#9  10K  [R_0603_1608Metric]  127.9 52.6 90 top
R70  10K  [R_0603_1608Metric]  41.4 246.6 90 top
R70#2  10K  [R_0603_1608Metric]  126.4 246.6 90 top
R70#3  10K  [R_0603_1608Metric]  211.4 246.6 90 top
R70#4  10K  [R_0603_1608Metric]  41.4 149.6 90 top
R70#5  10K  [R_0603_1608Metric]  211.4 149.6 90 top
R70#6  10K  [R_0603_1608Metric]  126.4 149.6 90 top
R70#7  10K  [R_0603_1608Metric]  211.4 52.6 90 top
R70#8  10K  [R_0603_1608Metric]  126.4 52.6 90 top
R70#9  10K  [R_0603_1608Metric]  41.4 52.6 90 top
R71  10K  [R_0603_1608Metric]  39.9 246.6 90 top
R71#2  10K  [R_0603_1608Metric]  124.9 246.6 90 top
R71#3  10K  [R_0603_1608Metric]  209.9 246.6 90 top
R71#4  10K  [R_0603_1608Metric]  39.9 149.6 90 top
R71#5  10K  [R_0603_1608Metric]  209.9 149.6 90 top
R71#6  10K  [R_0603_1608Metric]  124.9 149.6 90 top
R71#7  10K  [R_0603_1608Metric]  209.9 52.6 90 top
R71#8  10K  [R_0603_1608Metric]  124.9 52.6 90 top
R71#9  10K  [R_0603_1608Metric]  39.9 52.6 90 top
R72  6.8K  [R_0603_1608Metric]  38.4 249.6 90 top
R72#2  6.8K  [R_0603_1608Metric]  123.4 249.6 90 top
R72#3  6.8K  [R_0603_1608Metric]  208.4 249.6 90 top
R72#4  6.8K  [R_0603_1608Metric]  38.4 152.6 90 top
R72#5  6.8K  [R_0603_1608Metric]  208.4 152.6 90 top
